# Altium PCB Calipso V2.0 REV2.0 (new origin).PcbDoc (part 3 of 5)
Units mm, origin at the board's own origin, x right, y up, seen from the top; angles counter-clockwise.
Board outline 192.5 x 156.5 mm, 2 copper layers (Top Layer, Bottom Layer); 458 components, 353 nets, 1610 pads, 1543 vias.
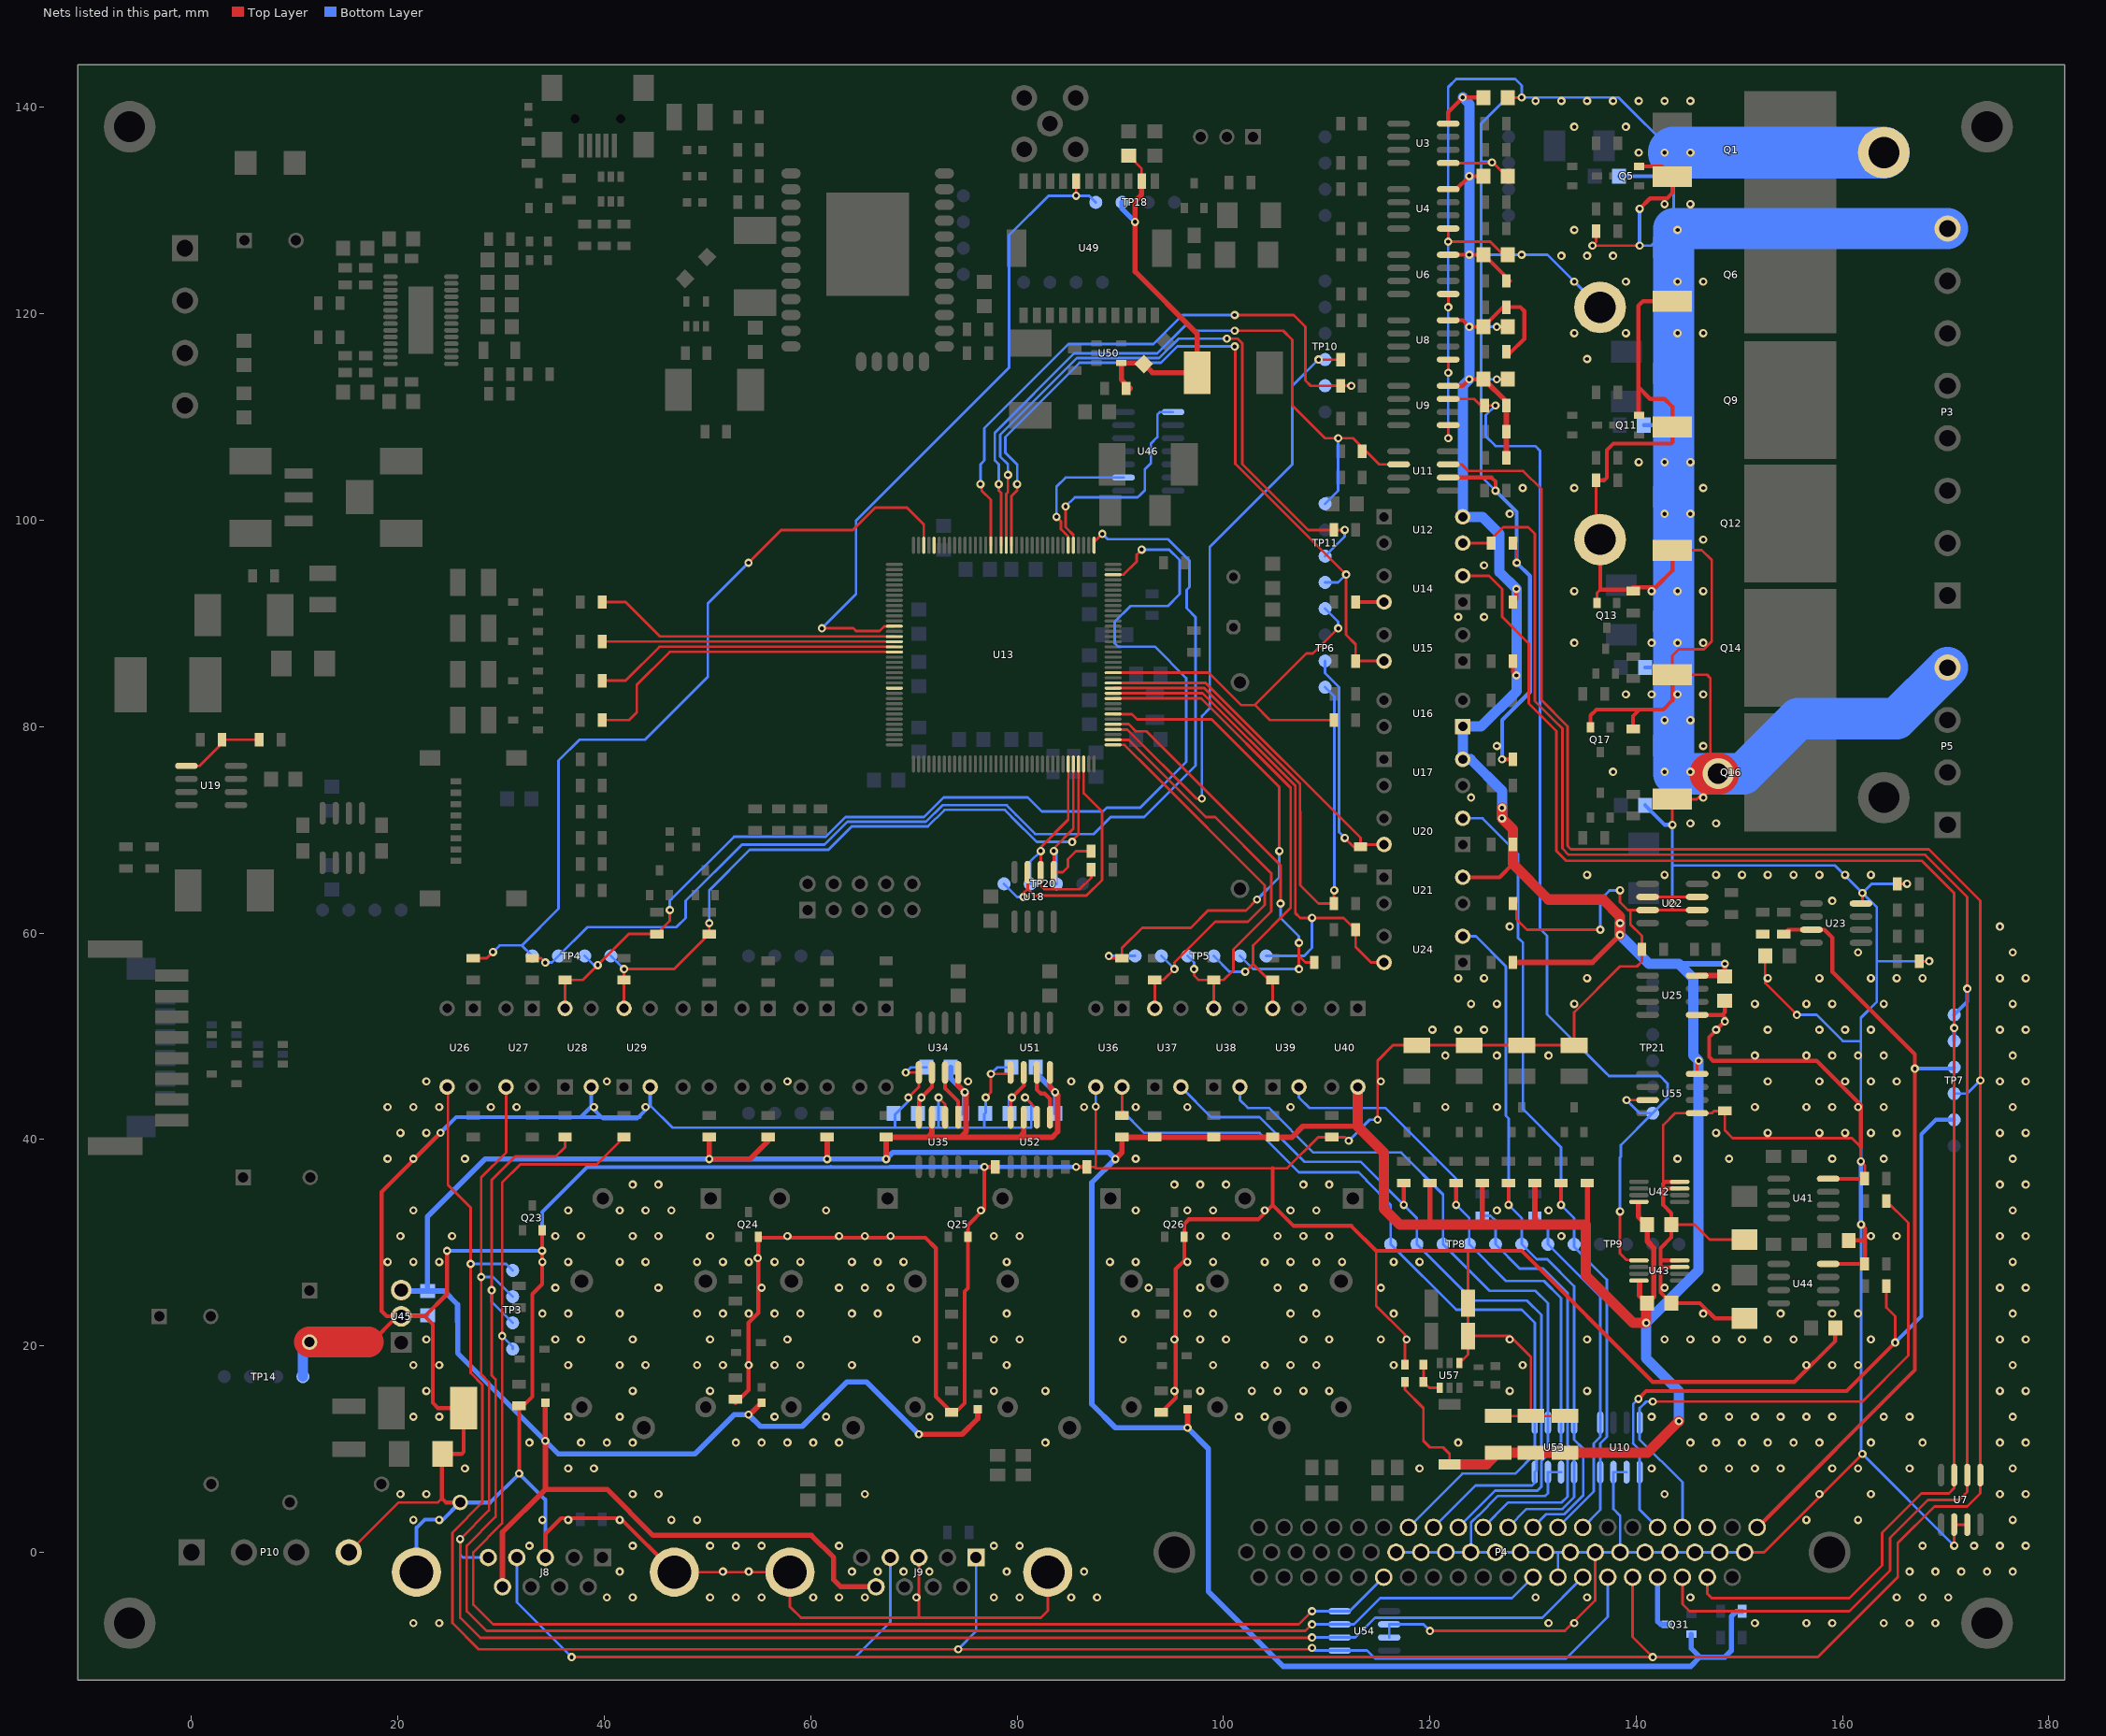
[diagram p3: the nets of this part, all layers, seen from the top]

## Via types
v1: diameter 0.8, hole 0.4, Top Layer to Bottom Layer, tented both sides, 1527 vias
v2: diameter 0.8, hole 0.4, Top Layer to Bottom Layer, 12 vias
v3: diameter 1.5, hole 1, Top Layer to Bottom Layer, 2 vias
v4: diameter 3, hole 2, Top Layer to Bottom Layer, 2 vias

## Nets (pads, with @x,y where several pads share a name; then routed paths per layer and width w, separated by ;. In a path a pad name is that pad's centre, name@x,y a point inside that pad or via, vN(x,y) a via of type N, cw(c..) or ccw(c..) an arc to the next point about the centre after c; other vN are vias at no path point) (continued)
EEPROM_NWC: TP20.1 U13.142 U18.7 | length 25.1
  Top Layer w0.254: v1(80.645,63.5) 80.645,63.881 81.026,64.262 ; U18.7@81.026,65.9 81.026,64.262 ; U13.142@86.459,76.383 86.459,73.552 88.234,71.777 88.234,65.139 86.722,63.627 81.661,63.627 81.026,64.262
  Bottom Layer w0.254: TP20.1@78.74,64.77 80.01,63.5 v1(80.645,63.5)
FAN_PWM1: U13.42 U46.9 | length 13
  Top Layer w0.254: v1(83.82,100.33) 84.255,99.895 84.255,99.126 84.646,98.735 84.657,98.735 84.959,98.433 U13.42@84.959,97.583
  Bottom Layer w0.254: v1(83.82,100.33) 83.82,103.251 84.709,104.14 U46.9@90.31,104.14
FAN_PWM2: U13.41 U46.1 | length 21.8
  Top Layer w0.254: v1(84.709,101.346) 84.709,99.314 84.834,99.189 84.845,99.189 85.459,98.575 U13.41@85.459,97.583
  Bottom Layer w0.254: v1(84.709,101.346) 85.598,102.235 91.694,102.235 91.875,102.416 91.882,102.416 92.383,102.917 92.383,104.942 92.975,105.533 92.975,107.431 93.599,108.056 93.599,110.236 93.853,110.49 U46.1@95.11,110.49
FEED_BACK: R167.1 R168.2 U57.4 | length 3.5
  Top Layer w0.254: R168.2@119.391,18.161 R167.1@119.391,16.51 119.956,15.945 U57.4@120.97,15.945
FEEDBACK: R55.1 R56.2 U19.5 | length 8.1
  Top Layer w0.254: U19.5@-0.895,76.2 0.79,76.2 3.33,78.74 R56.2@6.195,78.74
FLOW1: R79.1 R89.1 TP4.3 U13.34 U28.4 | length 113.1
  Top Layer w0.254: U28.4@36.195,52.705 R89.1@36.195,55.465 37.94,55.465 42.385,59.91 R79.1@45.085,59.91 46.355,61.18 v1(46.355,62.23) ; U13.34@89.309,94.733 90.32,94.733 91.586,95.999 91.586,96.666 v1(92.075,97.155)
  Bottom Layer w0.254: TP4.3@38.101,57.785 38.99,56.896 v1(39.371,56.896) ; v1(46.355,62.23) 46.355,63.119 52.578,69.342 61.468,69.342 63.37,71.244 70.983,71.244 72.891,73.152 81.026,73.152 82.404,71.774 88.343,71.774 88.705,72.136 91.934,72.136 96.393,76.595 96.393,84.709 93.345,87.757 89.789,87.757 89.471,88.075 89.471,90.17 90.995,91.694 94.615,91.694 95.758,92.837 95.758,96.139 94.742,97.155 v1(92.075,97.155)
FLOW2: R80.1 R90.1 TP4.4 U13.141 U29.4 | length 67.3
  Top Layer w0.254: U29.4@41.911,52.705 R90.1@41.911,55.465 ; R90.1@42.165,55.465 R90.1@41.911,55.465 ; v1(50.165,60.96) R80.1@50.165,59.91 46.77,56.515 v1(41.911,56.515) R90.1@41.911,55.465 ; v1(85.344,68.834) 85.344,68.961 85.959,69.576 U13.141@85.959,76.383
  Bottom Layer w0.254: TP4.4@40.641,57.785 v1(41.911,56.515) ; v1(50.165,60.96) 50.165,64.135 54.102,68.072 61.722,68.072 63.986,70.336 71.359,70.336 72.959,71.936 78.813,71.936 79.464,71.285 79.464,71.266 81.896,68.834 v1(85.344,68.834)
FLOW_SEN1: P4.54 R108.1 TP3.3 U54.3 | length 162.8
  Top Layer w0.254: R108.1@36.195,40.225 36.195,39.243 35.306,38.354 31.369,38.354 29.083,36.068 v1(29.083,25.4) 29.083,17.136 29.464,16.755 29.464,3.429 26.67,0.635 26.67,-5.701 28.589,-7.62 107.95,-7.62 v1(108.585,-6.985)
  Bottom Layer w0.254: v1(29.083,25.4) 29.083,24.257 TP3.3@31.115,22.225 ; v1(108.585,-6.985) U54.3@111.265,-6.985 112.649,-6.985 115.189,-4.445 127.971,-4.445 P4.54@130.003,-2.413
FLOW_SEN2: P4.48 R109.1 TP3.4 U54.4 | length 148.3
  Top Layer w0.254: R109.1@41.911,40.225 39.278,37.592 31.877,37.592 30.099,35.814 v1(30.099,20.955) 30.099,2.794 27.305,0 27.305,-5.08 29.21,-6.985 107.315,-6.985 v1(108.585,-5.715)
  Bottom Layer w0.254: v1(30.099,20.955) 31.115,19.939 TP3.4@31.115,19.685 ; v1(108.585,-5.715) U54.4@111.265,-5.715 112.223,-5.715 P4.48@115.525,-2.413
FOOTSW: J8.4 J9.4 P4.58 TP7.4 U7.1 U11.3 | length 352.3
  Top Layer w0.254: v1(36.83,-10.16) v1(141.605,-10.16) ; U11.3@121.78,105.41 123.09,105.41 123.725,104.775 129.06,104.775 130.81,103.025 130.81,82.586 133.361,80.035 133.361,68.453 ; 133.361,68.432 133.361,68.453 ; P4.58@139.655,-2.413 139.655,-8.21 v1(141.605,-10.16) ; 133.361,68.453 133.388,68.426 133.388,68.405 133.685,68.108 168.366,68.108 173.355,63.119 v1(173.355,45.72) U7.1@173.355,7.48 173.355,5.715 172.085,4.445 168.91,4.445 165.354,0.889 165.354,-2.413 157.607,-10.16 v1(141.605,-10.16)
  Bottom Layer w0.254: J8.4@31.52,-0.51 31.52,-4.85 v1(36.83,-10.16) 64.31,-10.16 67.715,-6.755 J9.4@67.715,-0.51 ; TP7.4@170.815,44.45 172.085,44.45 v1(173.355,45.72)
FOOTSW1: R32.2 TP11.1 U11.6 U13.55 | length 70.8
  Top Layer w0.254: v1(78.232,103.505) 78.232,102.874 78.459,102.647 U13.55@78.459,97.583 ; v1(101.092,118.364) 105.791,118.364 106.68,117.475 106.68,111.125 109.855,107.95 v1(111.125,107.95) 112.55,107.95 115.09,105.41 U11.6@116.98,105.41
  Bottom Layer w0.254: v1(78.232,103.505) 78.232,105.41 77.851,105.791 77.851,108.498 85.52,116.167 93.582,116.167 96.287,118.872 96.72,118.872 97.228,118.364 v1(101.092,118.364) ; TP11.1@109.855,101.6 111.125,102.87 v1(111.125,107.95)
FOOTSW2: U13.68
GOUT1: R95.1 U13.87 | length 29.4
  Top Layer w0.254: R95.1@40.16,92.075 42.065,92.075 45.395,88.745 U13.87@68.14,88.745
GOUT2: R96.1 U13.88 | length 28
  Top Layer w0.254: R96.1@40.16,88.265 40.18,88.245 U13.88@68.14,88.245
GOUT3: R114.1 U13.89 | length 29.3
  Top Layer w0.254: R114.1@40.16,84.455 42.065,84.455 45.355,87.745 U13.89@68.14,87.745
GOUT4: R115.1 U13.90 | length 32.3
  Top Layer w0.254: R115.1@40.16,80.645 42.418,80.645 43.142,81.369 43.142,84.032 46.355,87.245 U13.90@68.14,87.245
GPS3V3: C67.1 C68.2 GPS1.1 L10.1 TP18.2 U49.13 U50.4 | length 37.4
  Top Layer w0.254: C68.2@90.805,135.35 92.075,134.08 U49.13@92.075,132.865
  Top Layer w0.5: GPS1.1@90.96,112.776 90.1,113.636 U50.4@90.1,115.255 92.174,115.255 L10.1@92.284,115.144 93.129,114.3 C67.1@97.465,114.3 97.465,118.054 91.44,124.079 v1(91.44,128.905) 91.44,130.937 92.075,131.572 U49.13@92.075,132.865
  Bottom Layer w0.5: TP18.2@90.17,130.81 90.17,130.175 v1(91.44,128.905)
GPS_RST: TP18.1 U13.85 U49.18 | length 64.6
  Top Layer w0.254: v1(61.087,89.535) 64.135,89.535 64.389,89.281 66.687,89.281 67.139,89.733 U13.85@68.109,89.733 ; v1(85.725,131.445) U49.18@85.725,132.865
  Bottom Layer w0.254: v1(61.087,89.535) 61.087,89.549 64.389,92.851 64.389,99.949 79.232,114.792 79.232,127.619 83.058,131.445 v1(85.725,131.445) 86.995,131.445 TP18.1@87.63,130.81
I2C1_SCL: R139.2 TP20.2 U13.139 U18.6 | length 22.8
  Top Layer w0.254: U13.139@84.959,76.383 84.959,70.989 82.296,68.326 v1(82.296,67.945) U18.6@82.296,65.9 82.296,64.6 82.646,64.25 86.075,64.25 87.184,65.359 R139.2@87.184,66.155
  Bottom Layer w0.254: TP20.2@81.28,64.77 81.28,66.929 v1(82.296,67.945)
I2C1_SDA: R140.2 TP20.3 U13.140 U18.5 | length 19.5
  Top Layer w0.254: U13.140@85.459,76.383 85.459,70.104 83.566,68.211 v1(83.566,67.945) U18.5@83.566,65.9 84.423,65.9 84.932,66.409 84.932,67.171 85.694,67.933 R140.2@87.184,67.933
  Bottom Layer w0.254: v1(83.566,67.945) 83.82,67.691 TP20.3@83.82,64.77
I5V: C1.1 C7.1 C8.1 C11.1 C14.1 C29.2 C31.2 C33.1 C35.1 C37.1 C62.2 C73.2 C75.2 C88.2 C89.2 C90.2 J8.9 J9.9 L2.1 LED7.2 LED8.2 LED9.2 LED10.2 Q31.2 R20.2 R22.2 R24.2 R29.2 R31.2 R33.1 R44.2 R48.2 R73.2 R103.2 R110.2 R111.2 R112.2 R113.2 R116.2 R117.2 R118.2 R119.2 R123.2 R125.2 R127.2 R129.2 R156.2 R167.2 U3.8 U4.8 U6.8 U8.8 U9.8 U12.4 U16.1 U17.4 U21.4 U25.8 U34.8 U35.3 U40.4 U42.8 U43.8 U45.3 U51.8 U52.3 U55.8 | length 740.8
  Top Layer w0.254: R167.2@117.591,16.51 117.591,15.759 119.38,13.97 119.38,10.795 120.015,10.16 121.285,10.16 121.92,9.525 L2.1@121.92,8.53 ; U55.8@145.91,46.355 145.91,47.485 v1(146.05,47.625)
  Top Layer w0.384: U9.8@121.78,113.03 123.19,113.03 v1(123.825,113.665) C14.1@125.19,113.665 C14.1@125.25,113.665 ; U8.8@121.78,119.38 123.19,119.38 v1(123.825,118.745) C11.1@125.19,118.745 127.095,120.65 128.778,120.65 129.159,120.269 129.159,117.574 R24.2@127.79,116.205 ; U6.8@121.78,125.73 v1(123.825,125.73) 125.25,125.73 R20.2@127.79,123.19 ; U4.8@121.78,132.08 122.555,132.08 v1(123.825,133.35) C7.1@125.19,133.35 ; U3.8@121.78,138.43 121.78,139.56 v1(123.19,140.97) C1.1@125.19,140.97 ; U21.4@123.19,65.405 126.758,65.405 128.05,66.697 ; R48.2@128.05,86.36 128.05,85.31 v1(128.397,84.963) ; R44.2@128.05,92.075 128.397,92.422 v1(128.397,93.345) v1@128.425,93.317
  Top Layer w0.5: 34.29,6.096 40.259,6.096 44.715,1.64 60.082,1.64 62.23,-0.508 62.23,-2.667 62.913,-3.35 J9.9@66.33,-3.35 ; v1(34.29,10.795) LED7.2@34.29,14.49 ; U51.8@83.185,46.495 83.185,45.085 v1(83.693,44.577) ; 135.128,31.75 135.255,31.877 R129.2@135.255,35.78
  Top Layer w0.524: J8.9@30.135,-3.35 30.135,1.941 34.29,6.096 v1(34.29,10.795) ; R110.2@50.166,39.849 v1(50.166,38.1) 54.13,38.1 55.88,39.85 R111.2@55.88,40.225 ; v1(53.975,13.335) 54.09,13.335 LED8.2@55.245,14.49 ; v1(61.596,38.1) R112.2@61.595,39.85 ; R113.2@67.31,40.225 71.341,40.225 ; v1(67.311,38.1) R113.2@67.311,39.849 ; v1(70.485,11.43) 74.676,11.43 76.2,12.954 LED9.2@76.2,13.855 ; U35.3@71.756,42.151 71.756,40.64 71.341,40.225 ; U34.8@74.296,46.495 74.296,45.211 v1(74.93,44.577) 75.058,44.449 75.058,40.768 74.515,40.225 ; U52.3@80.645,42.151 80.645,40.64 80.23,40.225 ; v1(83.693,44.577) 83.947,44.323 83.947,40.767 83.405,40.225 80.23,40.225 ; v1(89.535,38.1) 90.17,38.735 R116.2@90.17,39.85 ; R116.2@90.17,40.225 R117.2@93.345,40.225 R118.2@99.06,40.225 R119.2@104.775,40.225 106.646,40.225 107.696,41.275 113.03,41.275 ; v1(96.52,12.065) LED10.2@96.52,13.855 ; 120.015,31.75 R123.2@120.015,35.405 ; 125.095,31.75 R125.2@125.095,35.405 ; C14.1@125.25,113.665 127.415,111.5 R29.2@127.415,111.125 R31.2@127.415,108.585 R33.1@127.415,106.045 ; R103.2@128.425,57.15 135.763,57.15 v1(138.43,59.817) ; 130.175,31.75 R127.2@130.175,35.405 ; U42.8@140.208,33.782 140.208,32.512 140.97,31.75 C35.1@141.065,31.75 141.065,30.131 141.713,29.483 141.713,24.778 C37.1@141.065,24.13 140.335,24.86 U43.8@140.335,26.162 ; U25.8@145.91,55.88 C33.1@148.495,55.88 ; C33.1@148.59,55.785 v1(148.59,57.023) ; 71.341,40.225 74.515,40.225 ; 74.515,40.225 80.23,40.225
  Top Layer w1: U40.4@113.03,45.085 113.03,41.275 115.57,38.735 115.57,33.274 117.094,31.75 120.015,31.75 125.095,31.75 130.175,31.75 135.128,31.75 135.128,26.797 139.7,22.225 v1(140.97,22.225) 140.97,24.035 C37.1@141.065,24.13 ; L2.1@121.92,8.53 125.494,8.53 C90.2@126.619,9.655 C89.2@129.794,9.655 C88.2@133.096,9.655 141.1,9.655 v1(144.145,12.7) ; v1(127,72.136) v1(127,71.12) 128.05,70.07 R73.2@128.05,68.58 128.05,66.697 131.501,63.246 136.779,63.246 138.43,61.595 v1(138.43,60.96) v1(138.43,59.817)
  Bottom Layer w0.5: 25.781,22.352 25.781,19.304 v1(34.29,10.795) 35.56,9.525 48.768,9.525 52.578,13.335 v1(53.975,13.335) ; Q31.2@145.345,-7.935 145.345,-9.328 146.177,-10.16 148.59,-10.16 149.225,-9.525 149.225,-6.223 149.733,-5.715 R156.2@150.275,-5.715
  Bottom Layer w0.524: U45.3@20.32,25.4 20.415,25.305 C62.2@22.86,25.305 ; 25.781,22.352 25.781,24.003 24.479,25.305 C62.2@22.86,25.305 ; v1(53.975,13.335) 55.118,12.192 59.182,12.192 63.5,16.51 65.405,16.51 v1(70.485,11.43) ; C29.2@73.565,46.99 73.565,45.942 v1(74.93,44.577) 74.93,42.767 C31.2@74.708,42.545 ; C73.2@81.82,46.99 81.82,46.45 v1(83.693,44.577) 83.725,44.545 C75.2@83.725,42.545 ; 144.145,57.023 v1(148.59,57.023) ; 146.177,-10.16 145.288,-11.049 105.791,-11.049 98.552,-3.81 98.552,10.033 v1(96.52,12.065) 89.535,12.065 87.249,14.351 87.249,35.814 v1(89.535,38.1) 88.9,38.735 67.946,38.735 v1(67.311,38.1) v1(61.596,38.1) 28.448,38.1 22.86,32.512 C62.2@22.86,25.305
  Bottom Layer w1: v1(123.19,140.97) 123.825,140.335 v1(123.825,133.35) v1(123.825,125.73) v1(123.825,118.745) v1(123.825,113.665) 123.19,113.03 U12.4@123.19,100.33 125.095,100.33 126.746,98.679 126.746,94.996 v1(128.397,93.345) v1(128.397,84.963) 128.397,83.439 124.968,80.01 U16.1@123.19,80.01 U17.4@123.19,76.835 123.952,76.835 127,73.787 v1(127,72.136) v1(127,71.12) ; v1(138.43,60.96) v1(138.43,59.817) 141.224,57.023 144.145,57.023 145.542,55.626 145.542,48.133 v1(146.05,47.625) 146.05,27.305 v1(140.97,22.225) 140.97,18.796 144.145,15.621 v1(144.145,12.7)
ICAN1_RX: C30.2 U34.6 U35.4 | length 6.6
  Top Layer w0.384: U35.4@70.486,42.151 70.486,43.815 v1(70.74,44.069) 71.756,45.085 U34.6@71.756,46.495
  Bottom Layer w0.384: C30.2@70.518,42.418 70.518,43.847 v1(70.74,44.069)
ICAN1_TX: U34.7 U35.1 | length 4.9
  Top Layer w0.384: U34.7@73.026,46.495 73.026,44.958 74.296,43.688 U35.1@74.296,42.151
ICAN2_RX: C74.2 U51.6 U52.4 | length 6.5
  Top Layer w0.381: U52.4@79.375,42.151 79.375,43.942 v1(79.502,44.069) 80.645,45.212 U51.6@80.645,46.495
  Bottom Layer w0.381: C74.2@79.28,42.545 79.28,43.847 v1(79.502,44.069)
ICAN2_TX: U51.7 U52.1 | length 5.1
  Top Layer w0.381: U51.7@81.915,46.495 81.915,44.831 82.296,44.45 82.677,44.45 83.185,43.942 U52.1@83.185,42.151
IGND: C1.2 C7.2 C8.2 C11.2 C14.2 C29.1 C30.1 C31.1 C32.1 C33.2 C35.2 C36.2 C37.2 C38.2 C40.2 C41.2 C42.1 C43.1 C53.1 C61.1 C62.1 C73.1 C74.1 C75.1 C86.2 C87.2 C88.1 C89.1 C90.1 D13.2 D14.2 D20.2 J8.3 J8.10 J8.11 J9.3 J9.10 J9.11 LED3.1 LED4.1 LED5.1 LED6.1 P3.8 P4.28 P4.29 P4.30 P4.31 P4.32 P4.33 P4.34 P4.35 P4.36 P4.37 P4.38 P4.39 P4.40 P4.41 P4.42 P4.55 P5.4 P10.4 pad.H@136.5,98.13 pad.H@136.5,120.63 pad.H@164,135.63 Q1.3 Q5.2 Q6.3 Q9.3 Q11.2 Q12.3 Q13.2 Q14.3 Q16.3 Q17.2 Q23.2 Q24.2 Q25.2 Q26.2 R12.2 R18.1 R36.1 R39.1 R42.1 R50.2 R53.1 R59.2 R76.1 R81.1 R85.1 R101.2 R104.2 R120.1 R121.2 R135.1 R136.1 R137.1 R138.1 R148.2 R158.1 R168.1 RU2.1 TP14.1 U3.5 U4.5 U6.5 U7.6 U7.7 U8.5 U9.5 U10.6 U10.7 U11.2 U22.2 U22.3 U22.6 U22.7 U23.4 U25.5 U28.2 U29.2 U34.5 U35.2 U36.3 U41.4 U42.3 U42.4 U43.3 U43.4 U44.4 U45.2 U51.5 U52.2 U53.6 U53.7 U54.6 U54.7 U55.5 U57.1 | length 1495.9
  Top Layer w0.254: P10.4@15.24,0 20.066,4.826 23.876,4.826 24.257,5.207 ; J8.10@46.785,-1.93 J9.11@57.99,-1.93 57.99,-5.285 59.055,-6.35 70.485,-6.35 ; v1(69.215,46.482) 69.228,46.495 U34.5@70.486,46.495 70.486,45.085 v1(69.47,44.069) ; J9.3@70.485,-0.51 70.485,-6.35 ; v1(72.391,44.069) 73.026,43.434 U35.2@73.026,42.151 ; v1(76.962,44.069) 77.47,44.577 v1(77.47,46.355) 79.235,46.355 U51.5@79.375,46.495 ; v1(80.772,44.069) 81.915,42.926 U52.2@81.915,42.151 ; J9.10@82.98,-1.93 82.98,-5.666 82.296,-6.35 70.485,-6.35 ; R12.2@86.775,37.338 87.503,37.338 87.63,37.211 ; v1(87.63,43.18) 87.63,37.211 ; v1(112.141,39.878) 111.794,40.225 R120.1@110.49,40.225 109.186,40.225 106.172,37.211 104.775,37.211 87.63,37.211 ; 114.808,29.21 114.808,23.876 117.591,21.093 R168.1@117.591,18.161 ; v1(114.935,41.91) 114.935,47.625 116.435,49.125 LED3.1@118.745,49.125 LED4.1@123.825,49.125 LED5.1@128.905,49.125 LED6.1@133.985,49.125 133.985,52.324 138.43,56.769 140.081,56.769 140.555,57.243 R85.1@140.555,58.42 140.555,59.724 139.446,60.833 139.446,62.23 ; v1(120.015,-7.62) 133.096,-7.62 136.032,-4.684 P4.36@136.032,0 ; U9.5@121.78,109.22 121.78,107.963 v1(121.793,107.95) ; U8.5@121.78,115.57 121.78,114.313 v1(121.793,114.3) ; U6.5@121.78,121.92 121.793,121.907 v1(121.793,120.65) ; U4.5@121.78,128.27 v1(121.78,127) 125.857,127 C8.2@127.127,125.73 ; U3.5@121.78,134.62 126.034,134.62 126.024,134.631 v1(126.024,134.675) 126.089,134.675 127.414,133.35 C7.2@127.54,133.35 ; U57.1@122.87,18.345 123.695,19.17 C87.2@123.695,20.955 ; 123.698,29.21 123.695,29.207 C86.2@123.695,24.13 C87.2@123.695,20.955 ; C90.1@126.619,13.205 C89.1@129.794,13.205 ; C1.2@127.54,140.97 v1(128.905,140.97) ; R81.1@128.425,62.865 128.425,61.313 129.413,60.325 v1(136.525,60.325) ; v1(128.425,95.885) R39.1@128.425,97.79 ; C89.1@129.54,13.205 C89.1@129.794,13.205 ; C88.1@133.096,13.205 C89.1@129.794,13.205 ; R36.1@136.11,103.886 136.11,98.586 136.11,98.205 pad.H@136.525,97.79 ; R18.1@136.11,128.016 136.11,126.966 v1(135.763,126.619) v1(140.335,126.619) ; Q13.2@136.21,92.005 136.21,92.96 136.525,93.275 ; v1(138.43,64.135) 138.43,62.992 139.192,62.23 139.446,62.23 ; U22.6@141.11,63.5 143.51,63.5 ; 142.621,35.433 142.621,35.687 142.621,41.402 143.764,42.545 U55.5@145.91,42.545 147.32,42.545 147.54,42.765 R158.1@148.59,42.765 148.59,40.894 149.352,40.132 160.909,40.132 161.77,39.271 v1(161.77,37.874) 162.145,37.499 R104.2@162.145,36.195 ; C35.2@143.415,31.75 145.669,31.75 147.134,30.285 D13.2@150.495,30.285 ; v1(143.51,70.485) Q16.3@143.51,72.97 145.868,72.97 v4@147.193,74.295 ; Q12.3@143.51,97.1 146.359,97.1 147.32,96.139 147.32,88.265 146.558,87.503 144.145,87.503 143.51,86.868 Q14.3@143.51,85.035 146.867,85.035 147.193,84.709 v4@147.193,75.438 ; U22.2@145.91,62.23 143.51,62.23 ; U22.3@145.91,63.5 143.51,63.5 ; P4.42@150.51,0 152.4,0 v1(161.925,9.525) ; C32.1@152.495,57.785 152.495,55.15 v1(155.575,52.07) ; U23.4@161.785,62.865 161.925,63.005 v1(161.925,63.881) ; R76.1@165.32,64.77 v1(166.243,64.77) ; R101.2@167.42,57.277 v1(168.402,57.277) ; v1(170.815,0.635) U7.6@170.815,2.68 U7.7@172.085,2.68 ; C87.2@123.695,20.955 127.762,20.955 129.794,18.923 C89.1@129.794,13.205 ; 139.446,62.23 U22.7@141.11,62.23 143.51,62.23 ; 143.51,62.23 v1(143.51,62.865) 143.51,63.5
  Top Layer w0.384: 17.145,20.36 17.439,20.36 U45.2@19.939,22.86 ; v1(24.13,40.64) 18.415,34.925 18.415,23.368 18.923,22.86 U45.2@19.939,22.86 ; v1(24.765,29.21) 24.765,25.019 22.606,22.86 ; RU2.1@26.035,4.826 24.638,4.826 24.257,5.207 24.257,9.457 D20.2@24.325,9.525 26.162,9.525 26.36,9.723 C41.2@26.36,13.97 23.876,13.97 23.368,14.478 23.368,22.098 22.606,22.86 ; v1(31.75,7.62) 31.75,13.815 33.02,15.085 33.02,25.019 33.97,25.969 v1(33.97,29.21) Q23.2@33.97,31.185 ; J8.3@34.29,-0.51 34.29,1.778 35.814,3.302 41.553,3.302 J8.10@46.785,-1.93 ; R135.1@52.705,14.45 53.975,15.72 53.975,22.225 54.925,23.175 v1@54.925,28.575 ; v1(54.864,28.514) v1@54.925,28.575 ; R137.1@73.66,13.555 72.136,15.079 72.136,29.464 71.12,30.48 54.995,30.48 Q24.2@54.925,30.55 v1@54.925,28.575 ; R137.1@73.848,13.367 74.93,14.45 74.93,25.273 75.245,25.588 Q25.2@75.245,30.55 75.245,31.684 76.835,33.274 v1(76.835,37.338) R50.2@77.885,37.338 ; v1(85.725,37.338) R12.2@86.775,37.338 ; R138.1@93.98,13.555 95.377,14.952 95.377,27.432 96.2,28.255 Q26.2@96.2,30.55 96.2,31.811 96.647,32.258 103.378,32.258 104.775,33.655 ; 104.775,37.211 104.775,33.655 ; U11.2@121.78,104.14 125.984,104.14 126.365,103.759 v1(126.365,102.87) ; v1(127,76.835) R59.2@128.05,76.835 ; Q17.2@135.575,79.94 135.575,81.092 136.144,81.661 140.335,81.661 ; pad.H@135.735,98.961 pad.H@136.11,98.586 ; R36.1@136.11,103.886 136.906,103.886 137.16,104.14 137.16,106.807 137.795,107.442 143.383,107.442 143.51,107.569 Q9.3@143.51,109.038 143.51,110.998 142.748,111.76 141.351,111.76 140.208,112.903 ; pad.H@136.525,97.79 136.525,93.275 139.475,93.275 139.7,93.5 141.887,93.5 143.51,95.123 Q12.3@143.51,97.1 ; R53.1@139.7,79.79 139.7,81.026 140.335,81.661 ; Q11.2@140.208,110.227 140.208,112.903 ; Q5.2@140.265,134.3 142.505,134.3 Q1.3@143.51,133.295 143.51,131.699 143.002,131.191 141.351,131.191 v1(140.335,130.175) ; 142.621,35.433 142.621,35.179 ; 142.621,35.687 142.834,35.9 U42.4@144.215,35.9 ; Q14.3@143.51,85.035 143.51,82.55 142.621,81.661 140.335,81.661 ; Q6.3@143.51,121.23 140.661,121.23 140.208,120.777 140.208,112.903 ; U43.3@144.215,27.63 142.423,27.63 142.367,27.686 ; U43.4@144.215,28.28 142.453,28.28 142.367,28.194 ; U42.3@144.215,35.25 142.692,35.25 142.621,35.179 ; U25.5@145.91,52.07 148.336,52.07 ; C33.2@148.59,53.435 148.59,52.324 148.336,52.07 ; D14.2@150.495,22.665 147.642,22.665 146.177,24.13 C37.2@143.415,24.13 142.367,25.178 142.367,27.686 ; U44.4@158.61,27.94 R121.2@162.145,27.94 ; U41.4@158.61,36.195 R104.2@162.145,36.195 ; C38.2@159.29,22.225 159.29,20.479 155.321,16.51 141.605,16.51 128.905,29.21 123.698,29.21 114.808,29.21 112.395,31.623 106.807,31.623 104.775,33.655 ; C36.2@160.592,30.226 162.179,30.226 ; 161.77,39.271 161.77,43.335 157.48,47.625 147.447,47.625 147.066,48.006 147.066,49.911 v1(148.59,51.435) 148.59,51.816 148.336,52.07 ; v1(161.798,31.75) 162.179,31.369 162.179,30.226 ; R121.2@162.179,27.94 162.179,30.226 ; U45.2@19.939,22.86 U45.2@20.32,22.86 22.606,22.86 ; 142.367,27.686 142.367,28.194 ; 142.367,28.194 142.367,29.464 143.415,30.512 C35.2@143.415,31.75 143.415,32.861 142.621,33.655 142.621,35.179